# Altium PCB carrier.PcbDoc (part 3 of 5) (continued)
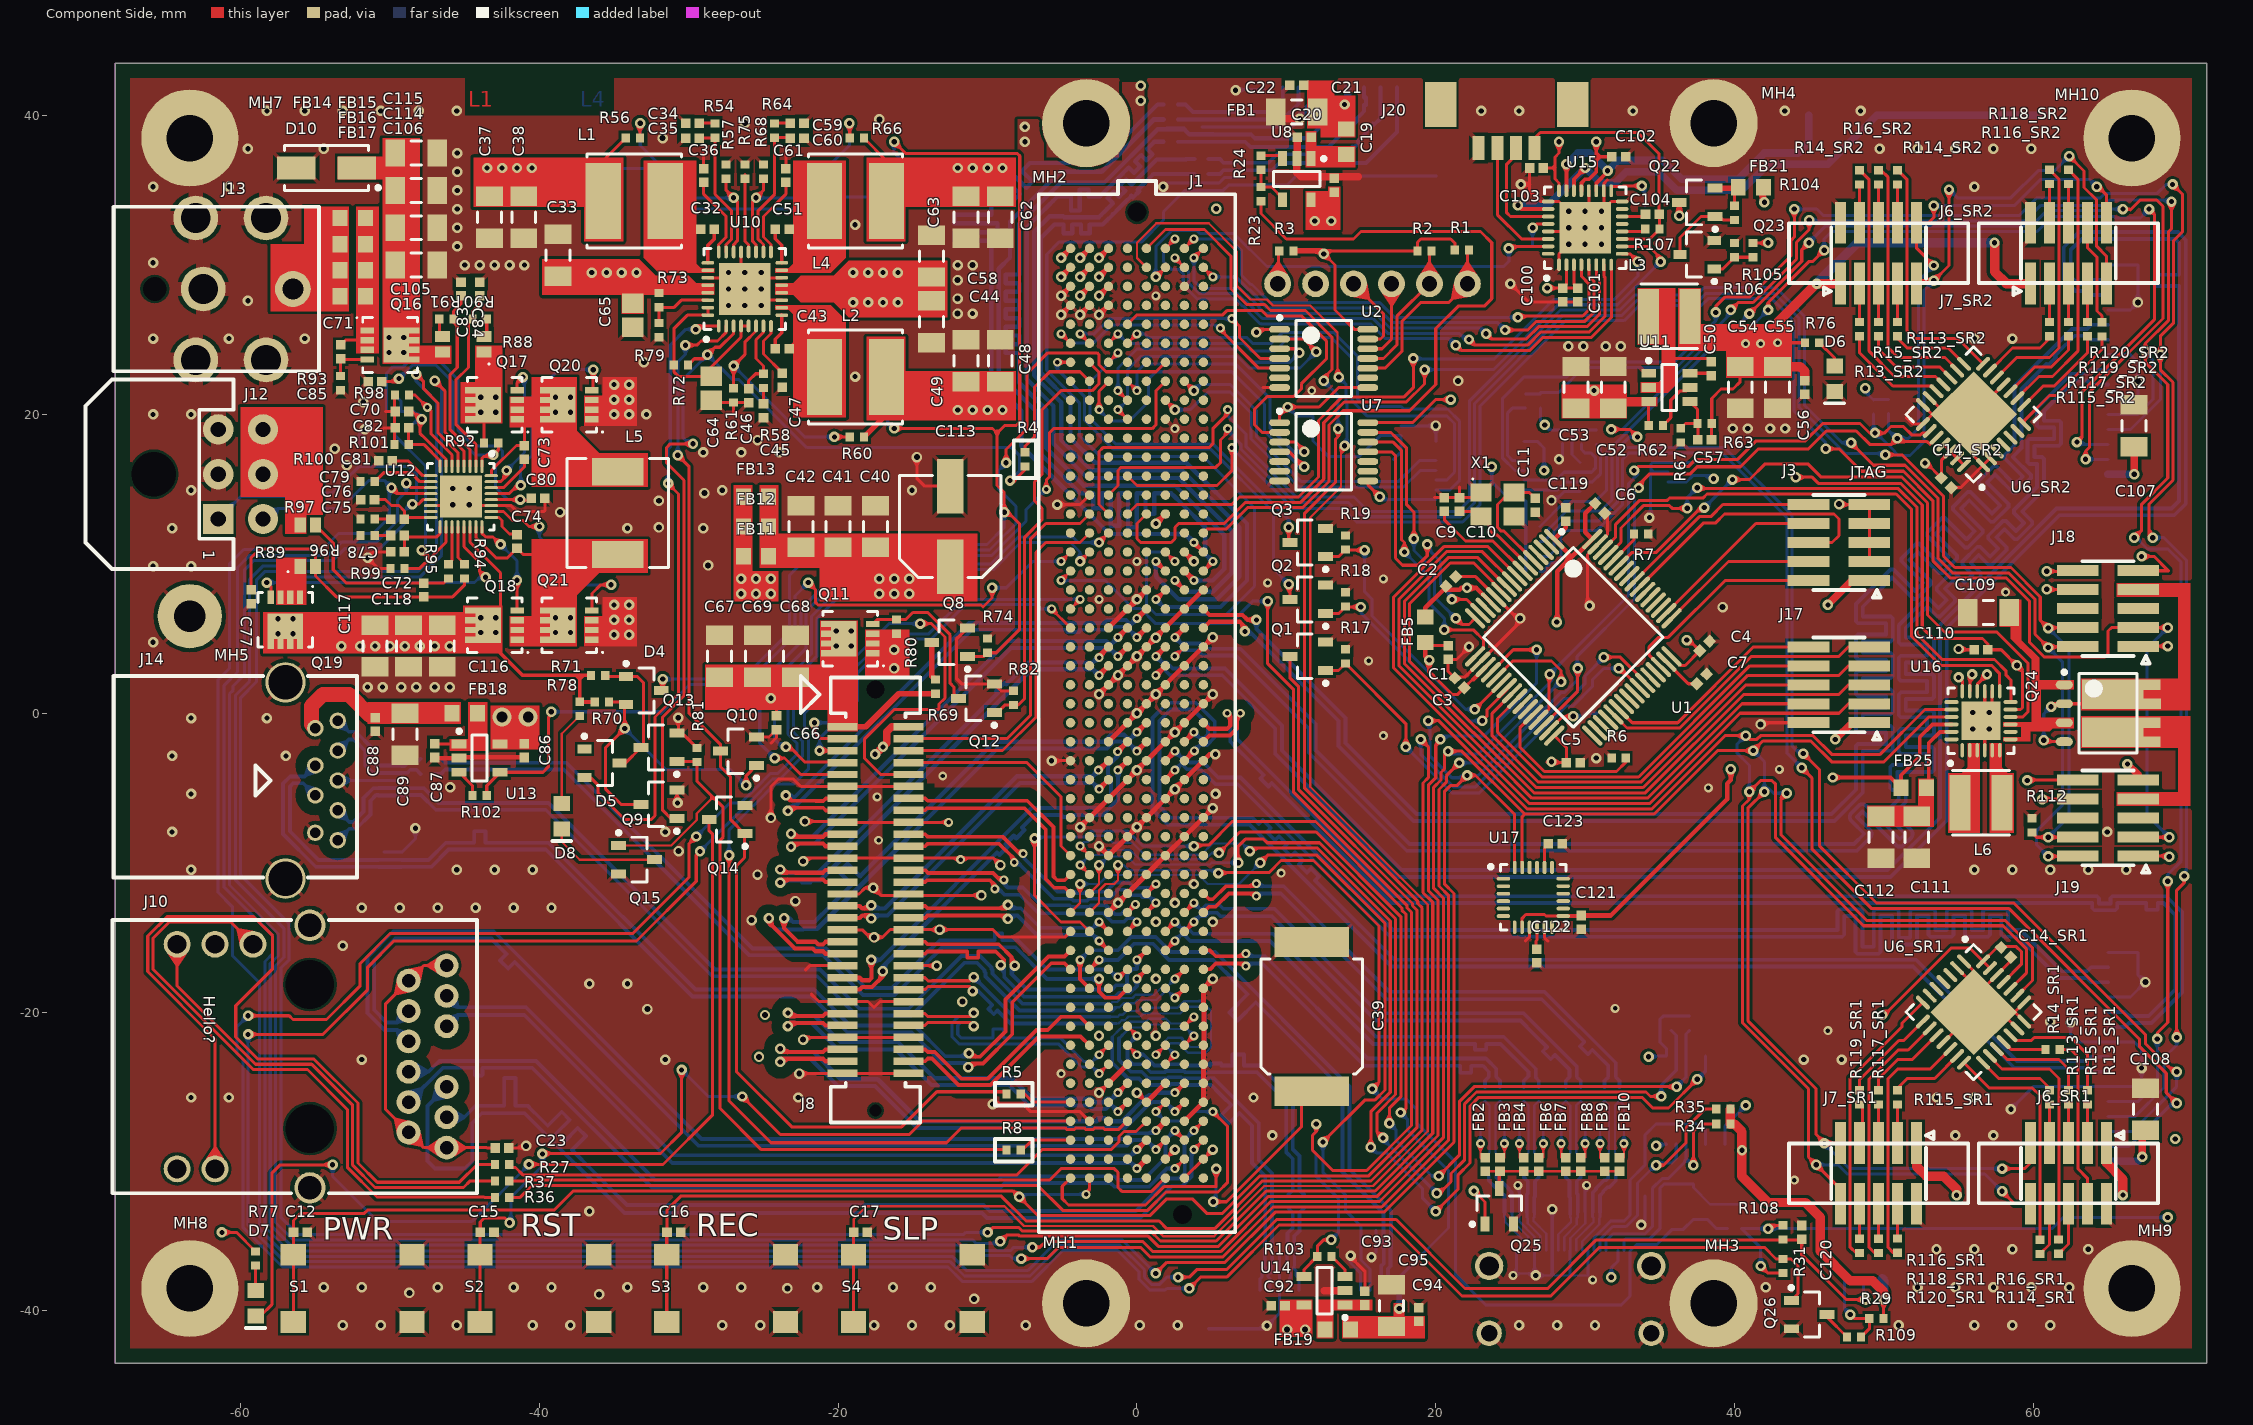
[diagram p0: Component Side view]
## Nets (pads, with @x,y where several pads share a name; then routed paths per layer and width w, separated by ;. In a path a pad name is that pad's centre, name@x,y a point inside that pad or via, vN(x,y) a via of type N, cw(c..) or ccw(c..) an arc to the next point about the centre after c; other vN are vias at no path point) (continued)
  Solder Side w0.203: R84.1@-54.897,14.732 -53.877,14.732 D9.C2@-53.02,15.589 -52.099,16.51 -48.733,16.51 -48.225,16.002 -48.225,14.275 v1(-48.5,14) -48.5,14.08 -49.04,13.54 -49.04,12.682 -50.705,11.017 -53.033,11.017 -53.83,10.22 -59.102,10.22 -59.75,9.572 -59.75,2.572 -60.5,1.822 -60.5,1.549 -60.75,1.299 -60.75,-11.5 -57.5,-14.75 -57.5,-16.244 -58.016,-16.76 -58.016,-34.237 -56.645,-35.608 -11.392,-35.608 -11.043,-35.957 -8.457,-35.957 -8.25,-35.75 v1(-7,-35.75) ; v1(20.828,-2.54) 20.828,-2.575 20.974,-2.721 21.825,-2.721 21.827,-2.723 22.849,-2.723 27.786,2.214 27.786,2.464 v1(27.633,2.617) 32.9,7.883 32.9,15.374 33.528,16.002 v1(33.28,16.25) ; v1(41.25,-2.5) 42,-3.25 v1(42,-5.25) 42.251,-4.999 42.607,-5.354 v1(43.5,-5.354) ; v1(46.003,-28.795) 47.688,-30.48 v1(57.912,-30.48) ; R9.1@49.3,20.025 49.3,18.866 v1(49.404,18.762) 49.492,18.762 50.704,17.55 50.704,17.501 50.955,17.25 51.75,17.25 52.674,18.174 52.674,28.297 v1(53.333,28.956) ; v1(54.356,35.052) 54.908,34.5 58.5,34.5 60.322,36.322 61.422,36.322 v1(62.4,37.3)
MCU_SDA: D9.C1 J6_SR1.10 J6_SR2.10 J7_SR1.10 J7_SR2.10 R10.1 R83.1 U1.30 U6_SR1.24 U6_SR2.24 U12.12 U16.20 U17.24 | length 403.1
  Component Side w0.203: v1(-49.9,15.1) -49.5,14.7 U12.12@-47.275,14.7 ; v1(1.25,-37.5) 1.997,-36.753 5.899,-36.753 9.252,-33.4 16.531,-33.4 21.223,-28.708 21.223,-12.069 20.574,-11.42 20.574,-5.253 20.979,-4.848 21.413,-4.848 v1(22.098,-4.163) 22.663,-4.163 25.283,-6.783 U17.24@25.283,-10.325 ; v1(19.5,-0.5) 20.211,-0.5 26.105,-6.394 34.474,-6.394 39.368,-1.5 v1(40.75,-1.5) 41,-1.75 41.497,-1.75 41.747,-1.5 45.253,-1.5 46.503,-2.75 49.75,-2.75 52.75,0.25 U16.20@54.525,0.25 ; U1.30@27.23,-0.789 29.5,1.481 v1(29.5,3) ; v1(33.589,15.077) 33.589,15.301 34.29,16.002 37.002,16.002 37.5,16.5 40.4,16.5 41.6,17.7 44.946,17.7 46.146,18.9 48.146,18.9 49.046,18 50.5,18 v1(50.9,18.4) 51.118,18.182 52.899,18.182 53.081,18 U6_SR2.24@53.525,18.444 ; J7_SR1.10@47.11,-32.827 47.11,-31.87 v1(45.466,-30.226) 44.958,-29.718 44.958,-25.141 40.538,-20.721 40.538,-6.209 41,-5.747 41,-5.44 40.81,-5.25 v1(41,-5.25) 41.75,-4.5 42.5,-4.5 42.75,-4.75 42.75,-8.341 48.633,-14.224 57.974,-14.224 59.553,-15.803 59.553,-17.366 U6_SR1.24@58.475,-18.444 ; v1(53.34,29.972) 52.19,31.122 J6_SR2.10@52.19,32.827 52.986,32.827 53.34,33.181 v1(53.34,33.977) ; v1(57.912,-32.004) 58.735,-32.827 J6_SR1.10@59.81,-32.827 ; v1(64.25,35.25) 64.35,35.25 64.89,34.71 J7_SR2.10@64.89,32.827
  Solder Side w0.203: R83.1@-54.897,13.716 -53.284,13.716 -51.411,15.589 D9.C1@-51.12,15.589 -50.389,15.589 v1(-49.9,15.1) -50.05,14.95 -50.05,13.1 -51.123,12.027 -53.451,12.027 -54.514,10.964 -59.786,10.964 -60.76,9.99 -60.76,2.99 -61.5,2.25 -61.5,-12 -60.556,-12.944 -60.556,-16.212 -58.75,-18.018 -58.75,-34.51 -56.904,-36.356 -12.36,-36.356 -11.403,-37.312 -7.312,-37.312 -5.25,-35.25 -1,-35.25 v1(1.25,-37.5) ; v1(19.5,-0.5) 19.604,-0.604 19.604,-2.848 21.074,-4.318 21.788,-4.318 v1@22.098,-4.008 ; v1@22.177,-3.929 v1@22.098,-4.008 ; v1(29.5,3) 29.5,2.25 29.464,2.214 ; v1(33.589,15.077) 33.3,14.789 33.3,7.646 29.464,3.81 29.464,2.214 ; v1(40.75,-1.5) 40.152,-2.098 40.152,-2.646 41,-3.494 v1(41,-5.25) ; v1(45.466,-30.226) 46.931,-30.226 47.541,-30.836 56.744,-30.836 v1(57.912,-32.004) ; R10.1@50.3,20.05 50.3,18.95 50.85,18.4 v1(50.9,18.4) 51.65,18.4 52.318,19.068 52.318,28.956 52.324,28.956 v1(53.34,29.972) ; v1(53.34,33.977) 58.727,33.977 60.49,35.74 63.76,35.74 v1(64.25,35.25) ; v1@22.098,-4.008 v1(22.098,-4.163) 22.837,-4.163 28.4,1.4 28.647,1.4 29.104,1.857 29.107,1.857 29.464,2.214
MDI0_N: J1.E49 J10.10 | length 51.7
  Component Side w0.34: v3(-0.006,-30.474) 0.006,-30.474 J1.E49@0.635,-29.845
  Solder Side w0.254: J10.10@-46.216,-20.95 -45.467,-20.2 -41.014,-20.2 -31.102,-30.112 -0.368,-30.112 v3(-0.006,-30.474)
MDI0_P: J1.E48 J10.11 | length 51.7
  Component Side w0.34: v3(0,-29.21) J1.E48@0.635,-28.575
  Solder Side w0.254: J10.11@-46.216,-18.918 -45.459,-19.675 -40.893,-19.675 -30.982,-29.586 -0.376,-29.586 v3(0,-29.21)
MDI1_N: J1.F48 J10.5 | length 67.6
  Component Side w0.254: v3(1.264,-29.204) 1.276,-29.204 J1.F48@1.905,-28.575
  Solder Side w0.254: J10.5@-48.756,-19.934 -49.518,-20.696 -50.227,-20.696 -51.054,-19.869 -51.054,-16.51 -49.599,-15.055 -43.249,-15.055 -43,-15.305 -42.731,-15.574 -42.192,-16.113 -42.628,-16.549 -42.089,-17.088 -41.653,-16.652 -37.777,-20.527 -29.349,-28.956 -0.654,-28.956 -0.266,-28.568 0.628,-28.568 v3(1.264,-29.204)
MDI1_P: J1.F47 J10.4 | length 67.7
  Component Side w0.356: v3(1.27,-27.94) J1.F47@1.905,-27.305
  Solder Side w0.254: J10.4@-48.756,-21.966 -49.518,-21.204 -50.366,-21.204 -51.511,-20.058 -51.511,-16.321 -49.789,-14.598 -43.06,-14.598 -29.159,-28.499 -0.843,-28.499 -0.455,-28.111 1.099,-28.111 v3(1.27,-27.94)
MDI2_N: J1.G49 J10.2 | length 58.1
  Component Side w0.203: v3(2.54,-30.48) J1.G49@3.175,-29.845
  Solder Side w0.254: J10.2@-48.756,-26.03 -48.756,-26.027 -46.456,-23.727 -45.085,-23.727 -44.831,-23.727 -44.399,-23.727 cw(c-44.399,-23.803) -44.323,-23.803 -44.323,-24.17 ccw(c-44.247,-24.17) -44.247,-24.246 -43.891,-24.246 ccw(c-43.891,-24.17) -43.815,-24.17 -43.815,-23.803 cw(c-43.739,-23.803) -43.739,-23.727 -41.91,-23.727 -40.491,-23.727 -32.468,-31.75 -9.144,-31.75 -8.839,-31.445 -1.764,-31.445 -1.51,-31.699 0.801,-31.699 2.02,-30.48 v3(2.54,-30.48)
MDI2_P: J1.G48 J10.3 | length 58.1
  Component Side w0.254: v3(2.54,-27.94) J1.G48@3.175,-28.575
  Solder Side w0.254: J10.3@-48.756,-23.998 -47.427,-23.998 -46.699,-23.27 -40.23,-23.27 -32.258,-31.242 -9.283,-31.242 -9.029,-30.988 -1.524,-30.988 -1.27,-31.242 0.418,-31.242 1.905,-29.755 1.905,-28.575 v3(2.54,-27.94)
MDI3_N: J1.H48 J10.9 | length 66.7
  Component Side w0.203: v3(3.81,-29.21) J1.H48@4.445,-28.575
  Solder Side w0.254: J10.9@-46.216,-25.014 -47.498,-26.296 -47.498,-29.972 -46.99,-30.48 -44.98,-30.48 -44.5,-30 -44.5,-27.417 -43.858,-26.775 -40.999,-26.775 -34.315,-33.46 -10.367,-33.46 -10.045,-33.782 0.218,-33.782 2.344,-31.656 3.027,-31.656 3.654,-31.029 3.654,-29.366 v3(3.81,-29.21)
MDI3_P: J1.H47 J10.8 | length 67
  Component Side w0.203: v3(3.81,-27.94) J1.H47@4.445,-27.305
  Solder Side w0.254: J10.8@-46.216,-27.046 -45.036,-27.046 -44.258,-26.267 -43.877,-26.267 -43.115,-26.267 -42.353,-26.267 -42.353,-24.41 -41.591,-24.41 -41.591,-26.267 -40.829,-26.267 -40.789,-26.267 -40.519,-26.537 -39.981,-27.075 -39.442,-27.614 -38.505,-26.678 -37.967,-27.217 -38.903,-28.153 -38.364,-28.692 -37.428,-27.756 -36.889,-28.294 -37.825,-29.231 -37.25,-29.806 -36.998,-30.058 ; -36.778,-30.278 -36.998,-30.058 ; v3(3.81,-27.94) 3.18,-28.57 3.18,-29.471 3.197,-29.488 3.197,-30.767 2.816,-31.148 2.102,-31.148 -0.075,-33.325 -9.855,-33.325 -10.265,-32.915 -34.141,-32.915 -35.5,-31.556 -36.998,-30.058
NetC2_1: C2.1 FB5.2 U1.13 | length 6
  Component Side w0.305: FB5.2@19.304,6.438 19.304,7.056 20.523,8.275 21.59,8.275 21.702,8.387 v1(22.093,8.387) 22.721,8.387 U1.13@23.695,7.413
NetC7_1: C7.1 U1.47 | length 2.7
  Component Side w0.203: U1.47@35.433,3.454 36.911,1.975 C7.1@37.475,1.975
NetC8_1: C8.1 U1.31 | length 3.7
  Component Side w0.203: U1.31@27.584,-1.143 28.476,-0.25 29.15,-0.25 v1(29.2,-0.2)
  Solder Side w0.203: v1(29.2,-0.2) 29.8,-0.2 30,0 C8.1@30.79,0
NetC9_1: C9.1 U1.7 | length 7.2
  Component Side w0.203: C9.1@20.574,13.51 20.574,12.954 21.996,11.532 23.819,11.532 U1.7@25.816,9.535
NetC10_1: C10.1 U1.6 X1.1 | length 6.1
  Component Side w0.203: C10.1@21.59,13.51 22.69,13.51 X1.1@23.03,13.17 23.622,12.578 23.622,12.232 23.916,11.938 24.125,11.938 U1.6@26.022,10.041
NetC11_1: C11.1 U1.5 X1.3 | length 7.9
  Component Side w0.203: U1.5@26.523,10.242 24.573,12.192 24.384,12.192 24.13,12.446 24.13,13.97 24.93,14.77 X1.3@25.23,14.77 26.282,14.77 C11.1@26.67,14.382
NetC12_2: C12.2 J1.B50 Q1.D S1.1 | length 127.8
  Component Side w0.203: S1.1@-56.475,-40.75 S1.1@-56.475,-36.25 -56.475,-34.765 C12.2@-56.46,-34.75 -56.46,-33.96 -56,-33.5 -51.75,-33.5 -51.5,-33.25 -39,-33.25 -37.717,-31.967 -8.283,-31.967 v1(-7.874,-32.376) -6.62,-33.63 0.861,-33.63 1.99,-32.5 3.7,-32.5 4.7,-33.5 5.698,-33.5 8.236,-30.962 15.521,-30.962 18.734,-27.749 18.734,-13.176 18.44,-12.883 18.44,-12.735 10.82,-5.115 10.82,1.78 10.23,2.37 Q1.D@10.23,3.81 ; v3(-3.4,-32.2) -3.498,-32.2 -3.175,-31.877 J1.B50@-3.175,-31.115
  Solder Side w0.203: v1(-7.874,-32.376) -7.738,-32.512 -7.426,-32.2 v3(-3.4,-32.2)
NetC15_2: C15.2 J1.A47 S2.1 | length 56.7
  Component Side w0.203: S2.1@-43.975,-40.75 S2.1@-43.975,-36.25 C15.2@-43.975,-34.75 ; C15.2@-43.96,-34.75 -43.96,-34.054 -43.706,-33.8 -42.3,-33.8 v1(-42,-34.1) ; v1(-39.8,-29.5) -39.764,-29.464 -31.889,-29.464 -30.48,-28.055 v1(-30.48,-23.876) ; v1(-26.416,-25.654) -23.876,-28.194 -15.24,-28.194 -14.351,-27.305 J1.A47@-4.445,-27.305
  Solder Side w0.203: v1(-42,-34.1) -41.9,-34 -41.9,-32.4 -39.8,-30.3 v1(-39.8,-29.5) ; v1(-30.48,-23.876) -28.702,-25.654 v1(-26.416,-25.654)
NetC16_2: C16.2 J1.E1 S3.1 | length 137.2
  Component Side w0.203: S3.1@-31.475,-40.75 S3.1@-31.475,-36.25 C16.2@-31.475,-34.75 ; C16.2@-31.46,-34.75 -31.46,-33.238 -30.545,-32.323 -9.079,-32.323 -7.417,-33.985 1.485,-33.985 2,-34.5 5.201,-34.5 8.384,-31.317 15.668,-31.317 19.089,-27.896 19.089,-13.029 18.796,-12.736 18.796,-12.588 11.2,-4.992 11.2,13.359 13.296,15.455 13.296,18.35 13.462,18.516 v1(13.462,19.05) ; J1.E1@0.635,31.115 1.905,32.385 4.515,32.385 6.3,30.6 6.3,28.4 7.344,27.356 8.544,27.356 8.944,26.956 11.277,26.956 13.056,25.177 13.056,23.012 12.5,22.457 v1(12.5,22.25)
  Solder Side w0.203: v1(12.5,22.25) 13.462,21.288 v1(13.462,19.05)
NetC17_2: C17.2 J1.E2 S4.1 | length 127.8
  Component Side w0.152: C17.2@-18.96,-34.75 -18.96,-33.86 -18.1,-33 -8.869,-33 -7.554,-34.315 1.065,-34.315 1.75,-35 5.168,-35 8.521,-31.647 15.805,-31.647 19.47,-27.982 19.47,-12.795 11.6,-4.925 11.6,13.1 13.665,15.165 13.665,17.865 13.7,17.9 v1(13.9,17.9) ; J1.E2@0.635,29.845 0,30.48 0,31.5 1.3,32.8 4.8,32.8 6.7,30.9 6.7,28.6 7.6,27.7 8.7,27.7 9.1,27.3 11.6,27.3 13.42,25.48 13.42,22.58 v1(13.5,22.5)
  Component Side w0.203: S4.1@-18.975,-40.75 S4.1@-18.975,-36.25 -18.975,-34.765 C17.2@-18.96,-34.75
  Solder Side w0.203: v1(13.5,22.5) 14,22 14,20.75 14.066,20.684 14.066,18.066 v1(13.9,17.9)
NetC20_2: C20.2 FB1.1 U8.1
NetC21_2: C21.2 C22.2 FB1.2 J9.4 | length 3.2
  Component Side w0.203: C22.2@12.1,40.25 12.6,40.75 v7(13.9,40.75)
  Solder Side w0.508: v7(13.9,40.75) 14.105,40.955 J9.4@14.105,41.9
NetC23_2: C23.2 J10.1 J10.6 J10.7 J10.12 | length 20.6
  Component Side w0.203: J10.12@-46.216,-16.886 -47.74,-16.886 J10.6@-48.756,-17.902 -50.292,-19.438 -50.292,-26.526 J10.1@-48.756,-28.062 -47.74,-29.078 J10.7@-46.216,-29.078 -43.538,-29.078 -43.515,-29.1 C23.2@-42.96,-29.1
NetC32_1: C32.1 L1.1 U10.26 | length 0.2
  Component Side w0.254: L1.1@-31.575,34.065 L1.1@-31.575,34.3
NetC32_2: C32.2 U10.25 | length 2.4
  Component Side w0.254: U10.25@-28.725,30.15 -28.725,31.325 -28.29,31.76 C32.2@-28.29,32.4
NetC34_2: C34.2 R54.1 | length 1.1
  Component Side w0.203: C34.2@-29.29,39.5 -28.275,39.5 R54.1@-28.25,39.475
NetC35_2: C35.2 R54.2 U10.23 | length 9.3
  Component Side w0.203: C35.2@-29.29,38.5 -28.275,38.5 R54.2@-28.25,38.525 -28.25,34.75 -27.144,33.644 -27.144,31.728 -27.5,31.372 U10.23@-27.5,30.875
NetC36_2: C36.2 U10.24 | length 5.5
  Component Side w0.203: C36.2@-29,35.54 -29,34.75 -27.5,33.25 -27.5,31.875 -28,31.375 U10.24@-28,30.875
NetC43_1: C43.1 L2.1 U10.10 | length 3.7
  Component Side w0.254: U10.10@-23.775,27.15 -23.2,27.15 -22.85,26.8 -22.85,24.84 C43.1@-23.29,24.4
NetC43_2: C43.2 U10.9 | length 2.4
  Component Side w0.254: C43.2@-24.21,24.4 -24.21,25.04 -23.775,25.475 U10.9@-23.775,26.65
NetC45_2: C45.2 R58.1 | length 1.1
  Component Side w0.203: C45.2@-25,20.71 R58.1@-25,21.775
NetC46_2: C46.2 R58.2 U10.7 | length 5.4
  Component Side w0.203: C46.2@-26,21.71 -26,22.25 -25.525,22.725 R58.2@-25,22.725 -25,23.25 -25.5,23.75 -25.5,25 -25,25.5 U10.7@-25,25.925
NetC47_2: C47.2 U10.8 | length 3.9
  Component Side w0.203: U10.8@-24.5,25.925 -24.5,25.425 -25,24.925 -25,24.042 -23.75,22.792 C47.2@-23.75,22.75
NetC50_1: C50.1 L3.1 U11.2 | length 6.3
  Component Side w0.203: U11.2@34.257,21.81 34.307,21.76 35.582,21.76 35.632,21.81 35.632,23.76 38.192,23.76 C50.1@38.432,23.52
NetC50_2: C50.2 U11.6 | length 1.5
  Component Side w0.203: U11.6@37.007,22.76 38.272,22.76 C50.2@38.432,22.6
NetC51_1: C51.1 L4.1 U10.15
NetC51_2: C51.2 U10.16 | length 2.4
  Component Side w0.254: C51.2@-24.21,32.4 -24.21,31.76 -23.775,31.325 U10.16@-23.775,30.15
NetC57_2: C57.2 R63.1 R67.2 U11.4 | length 4
  Component Side w0.203: R67.2@36.4,19.075 36.725,19.4 R63.1@37.525,19.4 ; U11.4@37.007,20.86 37.525,20.342 R63.1@37.525,19.4 ; C57.2@37.54,18.3 37.54,19.385 R63.1@37.525,19.4
NetC59_2: C59.2 R64.1 | length 1.1
  Component Side w0.203: R64.1@-24.25,39.475 -24.225,39.5 C59.2@-23.21,39.5
NetC60_2: C60.2 R64.2 U10.18 | length 9.3
  Component Side w0.203: U10.18@-25,30.875 -25,31.372 -25.356,31.728 -25.356,33.644 -24.25,34.75 R64.2@-24.25,38.525 -23.235,38.525 C60.2@-23.21,38.5
NetC61_2: C61.2 U10.17 | length 5.5
  Component Side w0.203: U10.17@-24.5,30.875 -24.5,31.375 -25,31.875 -25,33.25 -23.5,34.75 C61.2@-23.5,35.54
NetC64_2: C64.2 R72.1 U10.4 U10.5 U10.31 U10.32 | length 13.4
  Component Side w0.203: U10.31@-28.725,27.15 U10.32@-28.725,26.65 -30.1,26.65 -31.002,25.748 R72.1@-31.002,23.304 -31.002,22.868 -30.684,22.55 C64.2@-28.5,22.55 -28.5,23.175 -26.5,25.175 U10.4@-26.5,25.925 U10.5@-26,25.925
NetC70_2: C70.2 R85.1 R86.1 R87.2 U12.7 | length 8.9
  Component Side w0.203: C70.2@-48.74,20.2 -48.49,20.2 v1@-48,19.71 ; v1(-47.879,19.685) -47.975,19.685 v1@-48,19.71 ; U12.7@-46.25,16.525 -46.25,17.003 -47.603,18.356 -47.606,18.356 -48,18.75 v1@-48,19.71
  Solder Side w0.203: R85.1@-49.675,21.3 -49.275,20.9 R87.2@-49.275,20.2 -48.725,20.2 -48.394,20.2 v1(-47.879,19.685) -48.14,19.685 R86.1@-48.725,19.1
NetC71_1: C71.1 Q16.G R93.2 | length 3
  Component Side w0.203: R93.2@-53.3,22.575 C71.1@-53.3,23.74 -53.235,23.675 Q16.G@-51.515,23.675
NetC72_1: C72.1 R89.S2 R95.2 | length 11.7
  Component Side w0.203: R89.S2@-54.99,12.589 -53.8,11.399 -53.8,9.6 -52.91,8.71 C72.1@-47.75,8.71 -46.415,8.71 R95.2@-46.1,9.025
NetC72_2: C72.2 C77.1 R89.S1 R94.2 | length 19.7
  Component Side w0.203: C77.1@-59.3,8.26 -59.3,10.4 -58.7,11 -55.3,11 -54.99,10.69 R89.S1@-54.99,9.811 -54.99,9.19 -53.59,7.79 C72.2@-47.75,7.79 -45.81,7.79 -45,8.6 R94.2@-45,9.025
NetC73_1: C73.1 U12.30 | length 3.2
  Component Side w0.203: U12.30@-43.225,15.1 -42.4,15.1 -41,16.5 C73.1@-41,16.91
NetC74_1: C74.1 U12.25 | length 2.5
  Component Side w0.203: U12.25@-43.225,13.1 -42.7,13.1 -42.5,12.9 -42.5,12.5 -42,12 -41.675,12 C74.1@-41.5,12.175
NetC75_1: C75.1 C78.1 U12.17 | length 4
  Component Side w0.203: C78.1@-49.04,10.8 C75.1@-49.04,11.811 ; C75.1@-49.04,11.9 C75.1@-49.04,11.811 ; U12.17@-46.65,12.475 -46.65,12.024 -46.863,11.811 C75.1@-49.04,11.811
NetC75_2: C75.2 R96.2 | length 1.1
  Component Side w0.203: R96.2@-51.025,11.9 C75.2@-49.96,11.9
NetC76_1: C76.1 C79.1 U12.16 | length 4.7
  Component Side w0.203: C79.1@-51.04,14.3 -50.3,14.3 -49.9,13.9 -49.4,13.9 -49.04,13.54 C76.1@-49.04,13 -48.94,13.1 U12.16@-47.275,13.1
NetC76_2: C76.2 R97.2 | length 1.1
  Component Side w0.203: R97.2@-51.025,13 C76.2@-49.96,13
NetC80_1: C80.1 R87.1 U12.28 | length 22.1
  Component Side w0.203: U12.28@-43.225,14.3 v1(-41.275,14.3) -40.975,14.3 -40.925,14.25
  Solder Side w0.203: R87.1@-50.225,20.2 -50.225,22.775 -49.814,23.186 -49.121,23.186 -48.647,23.66 -46.779,23.66 -45.444,22.325 -45.444,18.947 -44.401,17.904 -42.825,17.904 -42.471,17.55 -42.471,17.05 -42.926,16.595 -42.926,15.113 -42.113,14.3 v1(-41.275,14.3)
NetC81_2: C81.2 U12.9 | length 3
  Component Side w0.203: C81.2@-49.84,16.9 -48.8,16.9 -47.8,15.9 U12.9@-47.275,15.9
NetC82_2: C82.2 R101.2 U12.8 | length 4
  Component Side w0.203: C82.2@-48.75,19.1 R101.2@-48.75,18 -47.75,18 -46.65,16.9 U12.8@-46.65,16.525
NetC83_2: C83.2 R90.1 U12.3 | length 12.5
  Component Side w0.203: C83.2@-45.25,27.94 -45.25,27.4 -45.75,26.9 R90.1@-45.75,26.4 -45.75,26.15 -45.5,25.9 -45.5,23.15 -45.974,22.676 -45.974,18.974 -44.65,17.65 U12.3@-44.65,16.525
NetC84_2: C84.2 R91.1 U12.2 | length 12.6
  Component Side w0.203: U12.2@-44.25,16.525 -44.25,18 -45.593,19.343 -45.593,22.307 -44.75,23.15 -44.75,26.15 -44.5,26.4 R91.1@-44.475,26.4 -44.475,26.925 -44,27.4 C84.2@-44,27.94
NetC85_2: C85.2 R92.1 U12.1 | length 14.7
  Component Side w0.203: C85.2@-50.54,22.2 -49.6,22.2 v1(-49.4,22.4) ; U12.1@-43.85,16.525 -43.85,17.05 -43.7,17.2 -43.175,17.2 v1(-43.075,17.3) -42.75,17.625 R92.1@-42.75,18.1
  Solder Side w0.203: v1(-49.4,22.4) -48.854,22.946 -48.854,22.95 -48.5,23.304 -46.926,23.304 -45.8,22.178 -45.8,18.8 -44.275,17.275 -43.1,17.275 v1(-43.075,17.3)
NetC87_2: C87.2 FB18.1 U13.1 | length 1.6
  Component Side w0.203: C87.2@-47,-2.04 -46.99,-2.05 U13.1@-45.375,-2.05
NetC88_2: C88.2 C89.2 FB18.2 J14.1 | length 6.7
  Component Side w1: J14.1@-55,-1 -55.25,-0.75 -55.25,0.5 -54.5,1.25 -52.75,1.25 -51.35,-0.15 C88.2@-51.05,-0.15
NetC93_2: C93.2 FB19.1 U14.1
NetC94_2: C94.2 C95.2 FB19.2 J1.B37 J15.1 | length 66.8
  Component Side w0.203: v4(-6.858,-8.382) -6.858,-12.192 -5.08,-13.97 -3.81,-13.97 J1.B37@-3.175,-14.605 ; v4(3.81,-8.89) 3.873,-8.826 4.798,-8.826 6.375,-7.25 11.95,-7.25 17.729,-13.03 17.729,-13.178 18.022,-13.471 18.022,-26.428 17.95,-26.5 17.95,-26.725 v1(17.65,-26.725)
  Solder Side w0.203: v4(-6.858,-8.382) -6.762,-8.286 -3.486,-8.286 -3.075,-7.875 -0.625,-7.875 0.39,-8.89 v4(3.81,-8.89) ; J15.1@17.55,-38.625 17.55,-37.75 20.85,-34.45 20.85,-30.625 18.1,-27.875 18.1,-27.175 v1(17.65,-26.725)
  Solder Side w0.381: v7(17.55,-39.854) J15.1@17.55,-38.625
NetC98_2: C98.2 C99.2 Q22.D U15.17 U15.28 | length 19.4
  Component Side w0.203: v1(26.5,32.5) 26.75,32.75 U15.28@27.525,32.75 ; U15.17@31.75,34.975 31.75,35.25 32.5,35.25 32.55,35.3 v1(33.8,35.3)
  Component Side w0.381: v1(36.3,33.3) Q22.D@36.3,34.2
  Power_layer1 w0.381: v1(26.5,32.5) 28.5,34.5 33.9,34.5 ; v1(33.8,35.3) 33.8,34.6 33.9,34.5 ; v1(36.3,33.3) 34.5,33.3 33.9,33.9 33.9,34.5
  Solder Side w0.203: C98.2@26.464,31.242 26.464,32.464 v1(26.5,32.5) ; v1(33.8,35.3) 34,35.1 C99.2@34,33.96
NetC104_1: C104.1 U15.14 | length 1.5
  Component Side w0.203: U15.14@32.475,33.25 33.93,33.25 C104.1@33.98,33.3
NetC104_2: C104.2 J20.1 R107.1 U15.11 | length 17.6
  Component Side w0.203: J20.1@26.625,37.85 26.625,38.5 27,38.875 33.525,38.875 34.96,37.44 C104.2@34.96,33.4 34.975,33.385 R107.1@34.975,32.4 34.325,31.75 U15.11@32.475,31.75
NetC109_2: C109.2 Q24.E1 Q24.E2 U16.7 U16.9
NetC111_2: C111.2 C112.2 FB25.1 U16.23 | length 4.9
  Component Side w0.254: FB25.1@52.85,-5 53,-4.85 53,-2 53.75,-1.25 U16.23@54.525,-1.25
NetC120_2: C120.2 J1.B17 J16.3 R108.1 | length 211.8
  Component Side w0.203: v1(-59.5,-21.5) -54.5,-21.5 -51.5,-18.5 -51.5,-17 -49.75,-15.25 -33.5,-15.25 -29.5,-11.25 -29.5,-9.5 v1(-29.25,-9.25) ; v4(-3.81,10.16) J1.B17@-3.175,10.795 ; v1(2.75,-37.75) 3.5,-37.75 4,-37.25 6,-37.25 9.356,-33.894 17.352,-33.894 21.957,-38.5 27.5,-38.5 30.752,-35.248 44.5,-35.248 44.5,-36.25 47.5,-39.25 v1(48.75,-39.25)
  Solder Side w0.203: v1(-59.5,-21.5) -59.5,-34.263 -57.052,-36.711 -12.507,-36.711 -11.551,-37.668 -7.165,-37.668 -5.103,-35.606 -1.147,-35.606 0.5,-37.253 0.5,-37.75 1,-38.25 1.5,-38.25 2,-37.75 v1(2.75,-37.75) ; v1(-29.25,-9.25) -29.25,-9.247 -25.788,-5.786 -25.765,-5.786 -25.202,-5.223 -25.202,-5.2 -24.397,-4.394 -23.894,-4.394 -22.396,-2.896 -22.396,-1.854 -23,-1.25 -23,2.247 -21.433,3.814 -21.433,6.317 -18.122,9.628 -9.596,9.628 -7.794,11.43 -4.445,11.43 -3.81,10.795 v4(-3.81,10.16) ; J16.3@48.625,-37.85 48.625,-39.125 v1(48.75,-39.25)
NetC122_1: C122.1 U17.10 | length 1.5
  Component Side w0.203: C122.1@26.75,-15.79 26.71,-15.75 26.71,-15.25 26.783,-15.177 U17.10@26.783,-14.325
NetC123_1: C123.1 U17.20 | length 1.7
  Component Side w0.203: U17.20@27.283,-10.325 27.283,-9.007 C123.1@27.54,-8.75
NetD1_1: D1.1 J11.14 U9.10 | length 15.1
  Solder Side w0.203: J11.14@30.6,-35.95 30.6,-35.105 31.705,-34 32.6,-34 33,-33.6 D1.1@33,-33.085 D1.1@33,-32.315 33,-31.25 34,-30.25 34,-28.25 34.75,-27.5 37.7,-27.5 38.05,-27.85 U9.10@38.05,-28.85
NetD1_2: D1.2 J11.15 R35.1 U9.13 | length 16.5
  Component Side w0.203: v1(34.75,-30.25) 35.25,-30.25 36.75,-28.75 36.75,-27.75 38,-26.5 R35.1@38.775,-26.5
  Solder Side w0.203: J11.15@31,-35.95 31,-35.208 31.852,-34.356 32.747,-34.356 33.5,-33.603 D1.2@33.5,-33.085 D1.2@33.5,-32.315 33.5,-31.45 v1@34.75,-30.2 ; v1(34.75,-30.25) v1@34.75,-30.2 ; U9.13@36.1,-28.85 36.1,-29.8 35.8,-30.1 34.85,-30.1 v1@34.75,-30.2
NetD1_4: D1.4 J11.16 R34.1 U9.12 | length 15.4
  Component Side w0.203: v1(37.25,-30.25) 37.25,-28 37.75,-27.5 R34.1@38.775,-27.5
  Solder Side w0.203: J11.16@31.4,-35.95 31.4,-35.311 31.857,-34.854 34,-34.854 34.5,-34.354 D1.4@34.5,-33.085 D1.4@34.5,-32.315 34.5,-31.8 35.144,-31.156 35.547,-31.156 36.75,-29.953 ; U9.12@36.75,-28.85 36.75,-29.953 ; v1(37.25,-30.25) 36.953,-29.953 36.75,-29.953
NetD1_5: D1.5 J11.19 Q4.G R30.1 | length 12.5
  Solder Side w0.152: Q4.G@37.25,-31.5 37.25,-31.75 38.375,-32.875 R30.1@40.6,-32.875
  Solder Side w0.203: J11.19@32.6,-35.95 32.6,-35.3 32.69,-35.21 34.29,-35.21 35,-34.5 D1.5@35,-33.085 D1.5@35,-32.315 35,-31.803 35.292,-31.511 37.239,-31.511 Q4.G@37.25,-31.5
NetD4_A1: D4.A1 D5.C Q13.D R71.2 | length 9
  Component Side w0.203: R71.2@-35.593,2.54 -35.527,2.474 D4.A1@-34.195,2.474 -33.47,2.474 -33.02,2.024 -33.02,-2.102 Q13.D@-33.204,-2.286 -34.258,-3.34 D5.C@-34.639,-3.34
NetD4_A2: D4.A2 Q9.D Q10.G R70.2 | length 21.5
  Component Side w0.203: R70.2@-35.339,0.762 -34.383,0.762 D4.A2@-34.195,0.574 -34.29,0.479 v1(-34.29,-1.016) -35.56,-2.286 -35.56,-5.08 -34.544,-6.096 Q9.D@-33.204,-6.096 ; v1(-26.162,-4.826) -26.162,-4.182 Q10.G@-25.47,-3.49
  Solder Side w0.203: v1(-34.29,-1.016) -31.556,-3.75 -27.238,-3.75 v1(-26.162,-4.826)
NetD5_A2: D5.A2 U10.1 | length 42.8
  Component Side w0.203: D5.A2@-36.989,-4.29 -36.604,-4.29 -36.068,-4.826 -36.068,-5.334 -34.29,-7.112 -32.512,-7.112 -32.258,-6.858 -32.258,-0.254 -30.683,1.321 -30.683,14.681 v1(-31.388,15.386) ; v7(-29.527,25.696) -29.527,25.877 -29.575,25.925 U10.1@-28,25.925
  Solder Side w0.203: v1(-31.388,15.386) -31.388,17.672 -31.242,17.818 -31.242,24.652 -30.198,25.696 v7(-29.527,25.696)
NetD6_A: D6.A R76.1 | length 2
  Component Side w0.203: R76.1@45.675,24.8 46.7,23.775 D6.A@46.7,23.25
NetD7_A: D7.A R77.1 | length 1.7
  Component Side w0.203: D7.A@-59,-38.65 R77.1@-59,-36.975
NetD7_C: D7.C Q14.D | length 64.8
  Component Side w0.203: D7.C@-59,-40.35 -58.672,-40.35 -57.912,-39.59 -57.912,-30.782 -57.356,-30.226 v1(-53.848,-30.226) ; v1(-40.7,-30.2) -31.724,-30.2 -28.4,-26.876 -28.4,-8.1 -28.632,-7.868 Q14.D@-28.632,-7.112
  Solder Side w0.203: v1(-53.848,-30.226) -53.848,-30.988 -50.8,-34.036 -44.536,-34.036 v1(-40.7,-30.2)
NetD8_A: D8.A R78.1 | length 6.4
  Component Side w0.152: D8.A@-38.5,-6.05 -38.5,-1.375 R78.1@-37.3,-0.175
NetD8_C: D8.C Q15.D | length 7.5
  Component Side w0.152: D8.C@-38.5,-7.75 -38.5,-8.6 -37.3,-9.8 Q15.D@-32.3,-9.8
NetD13_5: D13.5 J1.A36 J15.4 | length 53.8
  Component Side w0.152: J1.A36@-4.445,-13.335 -3.81,-12.7 v4(-3.81,-11.43)
  Component Side w0.203: v1(8.25,-10) 8.75,-9.5 12.04,-9.5 16.6,-14.06 16.6,-25.223 15.948,-25.875 15.273,-25.875 v1(12.446,-28.702)
  Solder Side w0.152: v4(-3.81,-11.43) -2.54,-11.43 -1.935,-10.825 4.136,-10.825 4.736,-11.425 6.825,-11.425 v1(8.25,-10)
  Solder Side w0.203: v1(12.446,-28.702) 12.446,-30.734 13.97,-32.258 13.97,-33.3 15,-34.33 D13.5@15,-34.615 D13.5@15,-35.385 15,-36.6 15.6,-37.2 J15.4@15.6,-38.625
NetD14_4: D14.4 J1.F17 J9.SW1 | length 75.3
  Component Side w0.203: J1.F17@1.905,10.795 v3(2.54,10.16)
  Solder Side w0.203: v3(2.54,10.16) 1.905,10.795 0.889,10.795 0.635,10.541 0.635,7.239 1.27,6.604 5.969,6.604 7.874,8.509 7.874,13.741 4.42,17.196 -2.464,17.196 -3.855,18.587 -3.855,20.781 -6.039,22.965 -6.039,30.711 -5.197,31.553 0.311,31.553 1.778,33.02 1.778,33.566 3.212,35 5.781,35 6.131,35.35 D14.4@6.415,35.35 D14.4@7.185,35.35 10.05,35.35 10.65,35.95 J9.SW1@20.04,35.95
NetFB2_1: FB2.1 FB3.1 FB4.1 FB6.1 FB7.1 FB8.1 FB9.1 FB10.1 Q25.D | length 10.2
  Component Side w0.152: FB2.1@23.3,-30.66 FB3.1@24.3,-30.66 FB4.1@25.9,-30.66 FB6.1@26.9,-30.66 FB7.1@28.7,-30.66 FB8.1@29.7,-30.66 FB9.1@31.3,-30.66 FB10.1@32.3,-30.66
  Component Side w0.203: Q25.D@24.25,-31.8 24.25,-30.71 FB3.1@24.3,-30.66
NetFB2_2: FB2.2 R46.1 | length 2
  Component Side w0.152: v6(23,-28.8) 23,-29.74 FB2.2@23.1,-29.84
  Solder Side w0.152: v6(23,-28.8) R46.1@23,-27.875
NetFB3_2: FB3.2 R47.1 | length 2
  Component Side w0.152: FB3.2@24.5,-29.84 24.6,-29.74 v6(24.6,-28.8)
  Solder Side w0.152: v6(24.6,-28.8) R47.1@24.6,-27.875
NetFB4_2: FB4.2 R48.1 | length 2
  Component Side w0.152: v6(25.6,-28.8) 25.6,-29.74 FB4.2@25.7,-29.84
  Solder Side w0.152: v6(25.6,-28.8) R48.1@25.6,-27.875
NetFB6_2: FB6.2 R49.1 | length 2
  Component Side w0.152: FB6.2@27.1,-29.84 27.2,-29.74 v6(27.2,-28.8)
  Solder Side w0.152: v6(27.2,-28.8) R49.1@27.2,-27.875
NetFB7_2: FB7.2 R50.1 | length 2
  Component Side w0.152: v6(28.4,-28.8) 28.4,-29.74 FB7.2@28.5,-29.84
  Solder Side w0.152: v6(28.4,-28.8) R50.1@28.4,-27.875
NetFB8_2: FB8.2 R51.1 | length 2
  Component Side w0.152: FB8.2@29.9,-29.84 30,-29.74 v6(30,-28.8)
  Solder Side w0.152: v6(30,-28.8) R51.1@30,-27.875
NetFB9_2: FB9.2 R52.1 | length 2
  Component Side w0.152: v6(31,-28.8) 31,-29.74 FB9.2@31.1,-29.84
  Solder Side w0.152: v6(31,-28.8) R52.1@31,-27.875
NetFB10_2: FB10.2 R53.1 | length 2
  Component Side w0.152: FB10.2@32.5,-29.84 32.6,-29.74 v6(32.6,-28.8)
  Solder Side w0.152: v6(32.6,-28.8) R53.1@32.6,-27.875
NetFB21_2: FB21.2 Q22.S R104.2 | length 3.2
  Component Side w0.203: FB21.2@39.8,35.15 FB21.2@40.1,35.45 ; R104.2@40,33.975 40,34.95 FB21.2@40.25,35.2 40.25,35.3 FB21.2@40.1,35.45 ; FB21.2@40.15,35.5 FB21.2@40.1,35.45
  Component Side w0.381: Q22.S@38.7,35.15 FB21.2@39.8,35.15
NetJ1_A6: J1.A6 U2.5 | length 17.6
  Component Side w0.203: v3(-5.08,25.4) J1.A6@-4.445,24.765 ; v3(5.588,25.785) 5.588,25.662 8.15,23.1 U2.5@9.55,23.1
  Solder Side w0.203: v3(-5.08,25.4) -4.476,24.796 -2.89,24.796 -1.682,26.004 5.238,26.004 5.457,25.785 v3(5.588,25.785)